# Altium PCB nixi_ clock_cpu.PcbDoc (part 1 of 3)
Units mm, origin at the board's own origin, x right, y up, seen from the top; angles counter-clockwise.
Board outline 147 x 65 mm, 2 copper layers (Top Layer, Bottom Layer), stack 1.569 mm thick; 96 components, 81 nets, 288 pads, 306 vias.
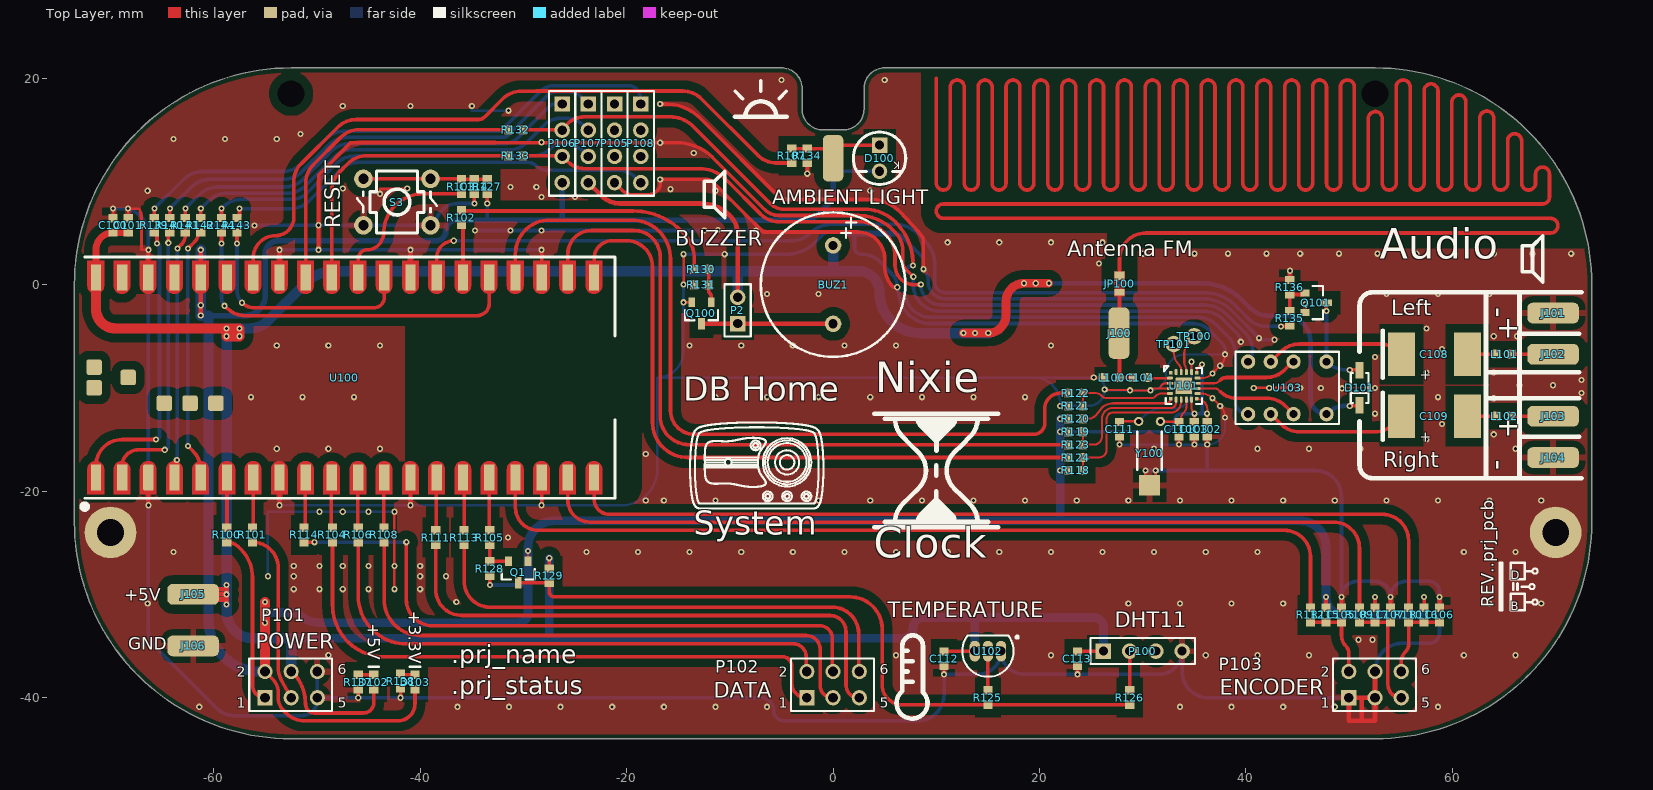
[diagram p0: Top Layer view]
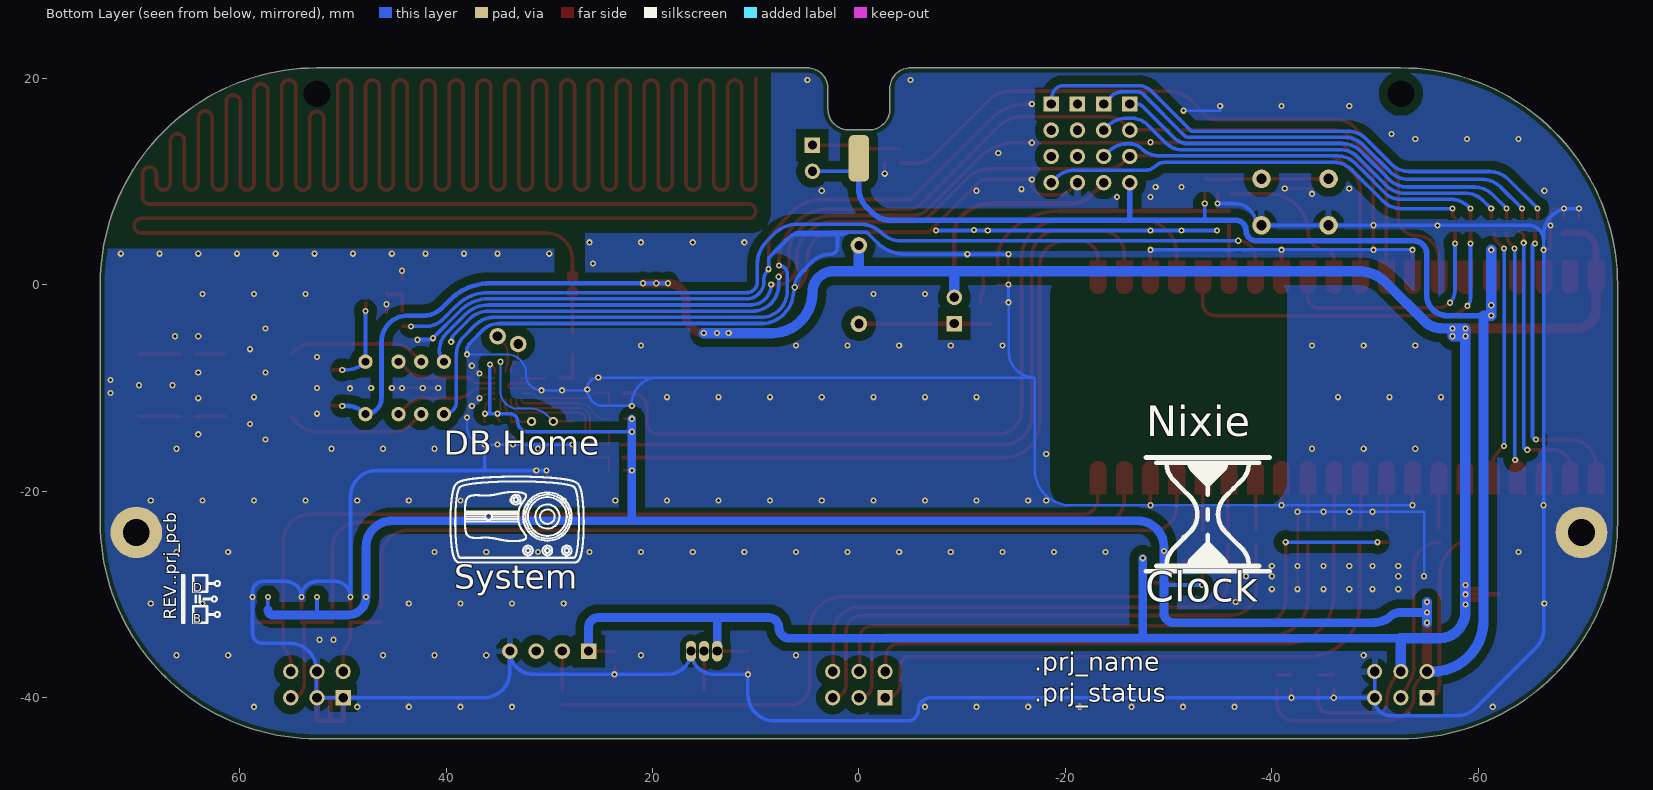
[diagram p1: Bottom Layer view, seen from below]
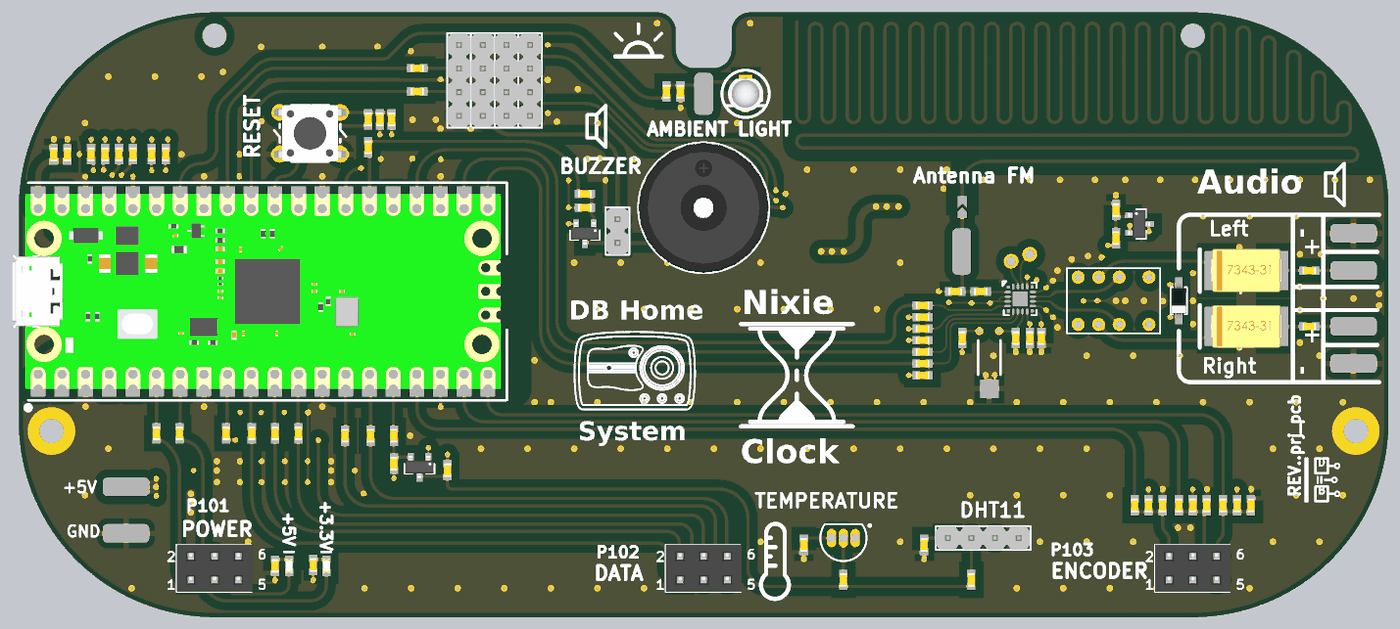
[diagram p4: 3D render of the assembled board from above, using the file's embedded part models]

## Layer stack, top to bottom
Top Solder: solder mask 0.0254, SM-001, Dk 4
Top Layer: signal copper 0.035
Dielectric 1: core 1.4986, Core-043, Dk 4.3
Bottom Layer: signal copper 0.035
Bottom Solder: solder mask 0.0254, SM-001, Dk 4

## Board outline
-73.5,-23 -73.5,0 cw(c-52.5,0) -52.5,21 -5,21 cw(c-5,19) -3,19 -3,17 ccw(c-1,17) -1,15 1,15 ccw(c1,17) 3,17 3,19 cw(c5,19) 5,21 52.5,21 cw(c52.5,0) 73.5,0 73.5,-23 cw(c52.5,-23) 52.5,-44 -52.5,-44 cw(c-52.5,-23)

## Design rules (kind name [scope] priority, off if disabled: settings)
BoardOutlineClearance [All] p1: gap=0.45 ignorepadtopadclearanceinfootprint=FALSE
Clearance Clearance_FM [InNet('FM_ANTENNA') vs not InComponent('JP100')] p1: gap=0.25 ignorepadtopadclearanceinfootprint=FALSE except(1.25: Arc-Fill Arc-Poly Arc-Region Track-Fill Track-Poly Track-Region SMDPad-Fill SMDPad-Poly SMDPad-Region THPad-Fill THPad-Poly THPad-Region Via-Fill Via-Poly Via-Region Fill-Fill Fill-Poly Fill-Region Poly-Poly Poly-Region Region-Region)
Clearance Clearance_0,15 [InComponentClass('0,15')] p2: gap=0.25 ignorepadtopadclearanceinfootprint=FALSE except(0.15: SMDPad-SMDPad THPad-THPad; 0.2: Arc-Arc Arc-Track Arc-SMDPad Track-Track Track-SMDPad)
Clearance Clearance_hw [InNetClass('HV') vs not InComponent('JP100')] p3: gap=1.5 ignorepadtopadclearanceinfootprint=FALSE except(0.25: Arc-Via Arc-Text Arc-Hole Track-Via Track-Text Track-Hole SMDPad-Via SMDPad-Text SMDPad-Hole THPad-Via THPad-Text THPad-Hole Via-Via Via-Text Via-Hole Fill-Text Fill-Hole Poly-Text Poly-Hole Region-Text Region-Hole Text-Text Text-Hole; 0.5: Arc-SMDPad Arc-THPad Track-SMDPad Track-THPad SMDPad-SMDPad SMDPad-THPad THPad-THPad; 1: Arc-Arc Arc-Track Track-Track)
Clearance [All vs not InComponent('JP100')] p4: gap=0.25 ignorepadtopadclearanceinfootprint=FALSE except(0.85: Arc-Fill Arc-Poly Arc-Region Track-Fill Track-Poly Track-Region SMDPad-Fill SMDPad-Poly SMDPad-Region THPad-Fill THPad-Poly THPad-Region Via-Fill Via-Poly Via-Region Fill-Fill Fill-Poly Fill-Region Poly-Poly Poly-Region Region-Region)
ComponentClearance ComponentClearance_p [InComponentClass('conn')] p1: gap=0 collisioncheckmode=3 verticalgap=0.254 showdistances=FALSE
ComponentClearance [All] p2: gap=0.25 collisioncheckmode=3 verticalgap=0.25 showdistances=FALSE
DiffPairsRouting [All] p1: maxlimit=0.25 minlimit=0.25 mostfreqgap=0.25 toplayer_minwidth=0.25 toplayer_maxwidth=0.25 toplayer_prefwidth=0.25 bottomlayer_minwidth=0.25 bottomlayer_maxwidth=0.25 bottomlayer_prefwidth=0.25 maxuncoupledlength=0.25
Height [All] p1: minheight=0 maxheight=25 prefheight=12.5
HoleSize [All] p1: absolutevalues=TRUE maxlimit=10 minlimit=0.2 maxpercent=80.000 minpercent=20.000
HoleToHoleClearance [All] p1: gap=0.25 allowstackedmicrovias=TRUE
MinimumSolderMaskSliver [All] p1: minsoldermaskwidth=0.1
NetAntennae NetAntennae_1 [InNet('FM_ANTENNA')] p1: netantennaetolerance=2000
NetAntennae [All] p2: netantennaetolerance=0
PlaneClearance [All] p1: clearance=0.5
PlaneConnect PlaneConnect_via [isvia] p1: planeconnectstyle=Direct reliefexpansion=0.508 reliefentries=4 reliefconductorwidth=0.254 reliefairgap=0.254
PlaneConnect [All] p2: planeconnectstyle=Relief reliefexpansion=0.6 reliefentries=4 reliefconductorwidth=0.6 reliefairgap=0.3
PolygonConnect PolygonConnect_1 [(ObjectKind = 'Pad') And (Component = 'Free') And (Name = 'Free-hole')] p1: connectstyle=Direct reliefconductorwidth=0.254 reliefentries=4 polygonreliefangle="90 Angle" airgapwidth=0.254
PolygonConnect PolygonConnect_via [isvia] p2: connectstyle=Direct reliefconductorwidth=0.254 reliefentries=4 polygonreliefangle="90 Angle" airgapwidth=0.254
PolygonConnect [All] p3: connectstyle=Relief reliefconductorwidth=0.6 reliefentries=4 polygonreliefangle="90 Angle" airgapwidth=0.6
RoutingCorners [All] p1: cornerstyle=45-Degree minsetback=2.5 maxsetback=2.5
RoutingVias [All] p1: holewidth=0.3 width=0.6 viastyle="Through Hole" minholewidth=0.2 minwidth=0.3 maxholewidth=0.5 maxwidth=1
SilkToSilkClearance [All] p1: silktosilkclearance=0.15
SilkToSolderMaskClearance [IsPad] p1: minsilkscreentomaskgap=0.15 clearancetoexposedcopper=TRUE
SolderMaskExpansion SolderMaskExpansion_via [isVia] p1: expansion=-10 istentingtop=FALSE
SolderMaskExpansion [All] p2: expansion=0.05 istentingtop=FALSE
UnRoutedNet [All] p1: checkbadconnections=TRUE
Width [All] p1: maxlimit=5 minlimit=0.15 preferedwidth=0.25
17 further rules are at their usual default settings.

## Classes and differential pairs
component class conn: P105 P106 P107 P108
component class 0,15: U101
component class Radio: TP? Y?

## Components (designator, comment, footprint, x,y, rotation, side; value= is the part's Value field where it differs from the comment)
BUZ1 "BUZZER" buzzer_14mm_thd 0,0 r270 top
C100 "10uF" 0603_[1608] -69.75,5.74 r90 top
C101 "100nF" 0603_[1608] -68.292,5.74 r90 top
C102 "100nF" 0603_[1608] 36.25,-14 r90 top
C103 "22nF" 0603_[1608] 35,-14 r90 top
C104 "1nF" 0603_[1608] 29.75,-9 r180 top
C105 "100nF" 0603_[1608] 49.25,-32 r270 top
C106 "100nF" 0603_[1608] 58.75,-32 r270 top
C107 "100nF" 0603_[1608] 54,-32 r270 top
C108 "47uF" [7343]_CAP_TAN_1P_2N 58.25,-6.75 r0 top
C109 "47uF" [7343]_CAP_TAN_1P_2N 58.25,-12.75 r0 top
C110 "22pF" 0603_[1608] 33.5,-14 r90 top
C111 "22pF" 0603_[1608] 27.75,-14 r90 top
C112 "100nF" 0603_[1608] 10.75,-36.25 r270 top
C113 "100nF" 0603_[1608] 23.67,-36.25 r270 top
C114 "100nF" 0603_[1608] -34.75,9.5 r90 top
D100 "AMBIENT LIGHT" R5_LED_THD_A2-K1 4.5,12.25 r270 top
D101 "1N4448W" SOD-123_K1-A2 51,-10 r270 top
D102 "+5V" 0603_[1608]_K1-A2_LED -44.5,-38.5 r90 top
D103 "+3.3V" 0603_[1608]_K1-A2_LED -40.5,-38.5 r90 top
J100 "Antenna FM" SMD_PIN_2x5MM 27.7,-4.694 r180 top
J101 "-" SMD_PIN_2x5MM 69.75,-2.75 r270 top
J102 "+" SMD_PIN_2x5MM 69.75,-6.75 r270 top
J103 "+" SMD_PIN_2x5MM 69.75,-12.75 r270 top
J104 "-" SMD_PIN_2x5MM 69.75,-16.75 r270 top
J105 "+5V" SMD_PIN_2x5MM -62,-30 r90 top
J106 "GND" SMD_PIN_2x5MM -62,-35 r90 top
JP100 "PCB FM Antenna" 0603_[1608]_JUMPER 27.75,0.073 r90 top
L100 "270nH" 0603_[1608] 27,-9 r180 top
L101 "Ferrite 2,5kohm" 0603_[1608] 65,-6.75 r0 top
L102 "Ferrite 2,5kohm" 0603_[1608] 65,-12.75 r0 top
P2 "BUZZER" HEADER_1X2_2.54MM_THD -9.25,-2.5 r90 top
P100 "SENSOR" HEADER_1X4_2.54MM_THD 30,-35.5 r0 top
P101 "POWER" SOCKET_2x3_2.54mm_THD -52.5,-38.75 r0 top
P102 "DATA" SOCKET_2x3_2.54mm_THD 0,-38.75 r0 top
P103 "ENCODER" SOCKET_2x3_2.54mm_THD 52.5,-38.75 r0 top
P105 "Audio" HEADER_1X4_2.54MM_THD -21.17,13.69 r270 top
P106 "Audio" HEADER_1X4_2.54MM_THD -26.25,13.69 r270 top
P107 "Audio" HEADER_1X4_2.54MM_THD -23.71,13.69 r270 top
P108 "Audio" HEADER_1X4_2.54MM_THD -18.63,13.69 r270 top
Q1 "BSS138" SOT-23 -30.5,-27.845 r270 top
Q100 "BC817" SOT-23 -12.75,-2.75 r270 top
Q101 "BC817" SOT-23 46.75,-1.75 r0 top
R100 "33R" 0603_[1608] -58.75,-24.25 r270 top
R101 "33R" 0603_[1608] -56.25,-24.25 r270 top
R102 "33R" 0603_[1608] -36,6.5 r270 top
R103 "33R" 0603_[1608] -36,9.5 r270 top
R104 "33R" 0603_[1608] -48.5,-24.25 r270 top
R105 "33R" 0603_[1608] -33.25,-24.5 r270 top
R106 "33R" 0603_[1608] -46,-24.25 r270 top
R107 "1k" 0603_[1608] -4,12.48 r270 top
R108 "33R" 0603_[1608] -43.5,-24.25 r270 top
R109 "33R" 0603_[1608] 51,-32 r270 top
R110 "33R" 0603_[1608] 55.75,-32 r270 top
R111 "33R" 0603_[1608] -38.5,-24.5 r270 top
R112 "33R" 0603_[1608] 46.25,-32 r270 top
R113 "33R" 0603_[1608] -35.75,-24.5 r270 top
R114 "33R" 0603_[1608] -51.25,-24.25 r270 top
R115 "10k" 0603_[1608] 47.75,-32 r270 top
R116 "10k" 0603_[1608] 57.25,-32 r270 top
R117 "10k" 0603_[1608] 52.5,-32 r270 top
R118 "4k7" 0603_[1608] 23.5,-18 r0 top
R119 "4k7" 0603_[1608] 23.5,-14.25 r0 top
R120 "10k" 0603_[1608] 23.5,-13 r0 top
R121 "10k" 0603_[1608] 23.5,-11.75 r0 top
R122 "330R" 0603_[1608] 23.5,-10.5 r180 top
R123 "330R" 0603_[1608] 23.5,-15.5 r180 top
R124 "330R" 0603_[1608] 23.5,-16.75 r180 top
R125 "33R" 0603_[1608] 15,-40 r270 top
R126 "33R" 0603_[1608] 28.73,-40 r270 top
R127 "10k" 0603_[1608] -33.5,9.5 r90 top
R128 "10k" 0603_[1608] -33.25,-27.5 r90 top
R129 "4k7" 0603_[1608] -27.5,-28.2 r270 top
R130 "1k" 0603_[1608] -12.75,1.5 r0 top
R131 "47k" 0603_[1608] -12.75,0 r0 top
R132 "33R" 0603_[1608] -30.75,15 r180 top
R133 "33R" 0603_[1608] -30.75,12.5 r180 top
R134 "10k" 0603_[1608] -2.5,12.48 r270 top
R135 "1k" 0603_[1608] 44.25,-3.25 r90 top
R136 "47k" 0603_[1608] 44.25,-0.25 r270 top
R137 "1k" 0603_[1608] -46,-38.5 r90 top
R138 "1k" 0603_[1608] -41.901,-38.401 r90 top
R139 "33R" 0603_[1608] -65.75,5.75 r90 top
R140 "33R" 0603_[1608] -64.25,5.75 r90 top
R141 "33R" 0603_[1608] -62.75,5.75 r90 top
R142 "33R" 0603_[1608] -61.25,5.75 r90 top
R143 "33R" 0603_[1608] -57.75,5.75 r270 top
R144 "33R" 0603_[1608] -59.25,5.75 r270 top
S3 "RESET" TACTILE_SWITCH_6x6MM_THD -42.25,8 r270 top
TP100 "GPIO2" TEST_POINT_THD_D1.6MM 35,-5 r90 top
TP101 "GPIO1" TEST_POINT_THD_D1.6MM 33,-5.75 r90 top
U100 "Raspberry Pico Wifi" RasberryPicoMod -47,-9 r90 top
U101 "Si470x" QFN-50P-20_PAD 33.975,-9.804 r0 top
U102 "DS18B20" TO-92 15,-35.5 r90 top
U103 "Relay DPDT" RELAYS_DPST_THD_6x10_5.08mm 44,-10 r180 top
Y100 "32.768kHz" CRISTAL_R26_PAD 30.656,-13.25 r270 top

## Footprints (in the part's own frame and the unit in brackets; to place one, negate y for a bottom-side part, rotate by r counter-clockwise, add the part's x,y. Pads: shape width x height; smd on the part's side, far side on the other; paste and mask are expansions set on the pad)
0603_[1608] [mm] "Chip Capacitor, Body 1.6x0.8mm, IPC High Density"
  rect 0.8x0.9 smd: 1(-0.7,0) 2(0.7,0)
  body extent -0.75,-0.4 0.75,0.4, height 0.67
0603_[1608]_JUMPER [mm]
  rect 0.6x1 smd paste+0 mask+0: 1(-0.8,0)
  rect 0.8x1 smd paste+0 mask+0: 2(0.8,0)
  Top Layer region: -1.2,0.5 -0.5,0.5 0,0 -0.5,-0.5 -1.2,-0.5
  Top Layer region: 1.2,-0.5 1.2,0.5 -0.1,0.5 0.4,0 0.4,0 -0.1,-0.5
0603_[1608]_K1-A2_LED [mm] "SMD led 0603 size"
  rect 0.8x0.9 smd: 1(0.7,0) 2(-0.7,0)
  silkscreen extent 1.5,-0.5 1.5,0.5, body extent -0.8,-0.4 0.8,0.4, height 0.7
[7343]_CAP_TAN_1P_2N [mm] "Capacitor, SM Tantalum; Body 7.3 x 4.3 mm (LxW typ)"
  rect 2.6x4.2 smd: 1(-3.2,0) 2(3.2,0)
  silkscreen extent -5,-2.3 -5,2.3, body extent -3.8,-2.3 3.8,2.3, height 3.1
buzzer_14mm_thd [mm]
  round 1.6 hole 0.9: 1(-3.8,0) 2(3.8,0)
  silkscreen extent -7,-7 7,7, body extent -7,-7 7,7, height 7.4
CRISTAL_R26_PAD [mm] "Crystal, Thru-Hole; 2 Leads; Body 2.1 x 6.2 mm (Dia.xH)"
  round 0.9 hole 0.5: 1(0,1.05) 2(0,-1.05)
  rect 2x2 smd: 3(6.2,0)
  silkscreen extent 1,-1.2 4.7,1.2, body extent 0.55,-0.8 6.55,0.8, height 1.59
HEADER_1X2_2.54MM_THD [mm] "Connector; Header; 2 Position"
  rect 1.5x1.5 hole 0.9: 1(-1.27,0)
  round 1.5 hole 0.9: 2(1.27,0)
  silkscreen extent -2.54,-1.27 2.54,1.27, body extent -2.54,-1.25 2.44,1.25, height 8.2
HEADER_1X4_2.54MM_THD [mm] "Connector; Header; 4 Position"
  rect 1.5x1.5 hole 0.9: 1(-3.81,0)
  round 1.5 hole 0.9: 2(-1.27,0) 3(1.27,0) 4(3.81,0)
  silkscreen extent -5.08,-1.27 5.08,1.27, body extent -5.08,-1.25 4.98,1.25, height 8.2
QFN-50P-20_PAD [mm]
  rect 0.34x0.34 smd: 1(-1.275,1.265) 6(-1.265,-1.265) 11(1.265,-1.265) 16(1.265,1.265)
  rrect95% 0.61x0.28 smd: 2(-1.335,0.75) 3(-1.335,0.25) 4(-1.335,-0.25) 5(-1.335,-0.75) 12(1.335,-0.75) 13(1.335,-0.25) 14(1.335,0.25) 15(1.335,0.75)
  rrect95% 0.28x0.61 smd: 7(-0.75,-1.335) 8(-0.25,-1.335) 9(0.25,-1.335) 10(0.75,-1.335) 17(0.75,1.335) 18(0.25,1.335) 19(-0.25,1.335) 20(-0.75,1.335)
  rrect10% 1.6x1.6 smd paste+0 mask+0: 21(0,0)
  silkscreen extent -1.9,-1.75 1.75,1.9, body extent -1.6,-1.6 1.6,1.6, height 0.55
R5_LED_THD_A2-K1 [mm] "standard led thd 5/3mm"
  round 1.5 hole 0.9: 1(1.27,0)
  rect 1.5x1.5 hole 0.9: 2(-1.27,0)
  silkscreen extent -2.54,-2.54 2.54,2.54, body extent -1.6,-1.9 1.9,1.9, height 6.55
RasberryPicoMod [mm]
  rect 2.5x1 smd mask+0.102: 1(-9.69,24.415) 2(-9.69,21.875) 4(-9.69,16.795) 5(-9.69,14.255) 6(-9.69,11.715) 7(-9.69,9.175) 8(-9.69,6.635) 9(-9.69,4.095) 10(-9.69,1.555) 11(-9.69,-0.985) 12(-9.69,-3.525) 13(-9.69,-6.065) 14(-9.69,-8.605) 15(-9.69,-11.145) 16(-9.69,-13.685) 17(-9.69,-16.225) 18(-9.69,-18.765) 19(-9.69,-21.305) 20(-9.69,-23.845)
  rrect25% 2.5x1 smd mask+0.102: 3(-9.69,19.335)
  rect 2.5x1 smd: 21(9.69,-23.845) 22(9.69,-21.305) 23(9.69,-18.765) 24(9.69,-16.225) 25(9.69,-13.685) 26(9.69,-11.145) 27(9.69,-8.605) 28(9.69,-6.065) 29(9.69,-3.525) 30(9.69,-0.985) 31(9.69,1.555) 32(9.69,4.095) 33(9.69,6.635) 34(9.69,9.175) 35(9.69,11.715) 36(9.69,14.255) 37(9.69,16.795) 38(9.69,19.335) 39(9.69,21.875) 40(9.69,24.415)
  rrect30% 1.5x1.5 smd: 44(0.01,21.292) 45(1.01,24.592) 46(-0.99,24.592) 47(-2.49,17.792) 48(-2.49,15.292) 49(-2.49,12.792)
  Top Layer region: -11.292,-24.629 -11.292,-23.029 -8.892,-23.029 -8.892,-23.029 -8.545,-23.108 -8.267,-23.33 -8.112,-23.651 -8.112,-24.007 -8.267,-24.328 -8.545,-24.55 -8.892,-24.629 -8.892,-24.629
  Top Layer region: -11.292,-22.089 -11.292,-20.489 -8.892,-20.489 -8.892,-20.489 -8.545,-20.568 -8.267,-20.79 -8.112,-21.111 -8.112,-21.467 -8.267,-21.788 -8.545,-22.01 -8.892,-22.089 -8.892,-22.089
  Top Layer region: -11.292,-19.549 -11.292,-17.949 -8.892,-17.949 -8.892,-17.949 -8.545,-18.028 -8.267,-18.25 -8.112,-18.571 -8.112,-18.927 -8.267,-19.248 -8.545,-19.47 -8.892,-19.549 -8.892,-19.549
  Top Layer region: -11.292,-17.009 -11.292,-15.409 -8.892,-15.409 -8.892,-15.409 -8.545,-15.488 -8.267,-15.71 -8.112,-16.031 -8.112,-16.387 -8.267,-16.708 -8.545,-16.93 -8.892,-17.009 -8.892,-17.009
  Top Layer region: -11.292,-14.469 -11.292,-12.869 -8.892,-12.869 -8.892,-12.869 -8.545,-12.948 -8.267,-13.17 -8.112,-13.491 -8.112,-13.847 -8.267,-14.168 -8.545,-14.39 -8.892,-14.469 -8.892,-14.469
  Top Layer region: -11.292,-11.929 -11.292,-10.329 -8.892,-10.329 -8.892,-10.329 -8.545,-10.408 -8.267,-10.63 -8.112,-10.951 -8.112,-11.307 -8.267,-11.628 -8.545,-11.85 -8.892,-11.929 -8.892,-11.929
  Top Layer region: -11.292,-9.389 -11.292,-7.789 -8.892,-7.789 -8.892,-7.789 -8.545,-7.868 -8.267,-8.09 -8.112,-8.411 -8.112,-8.767 -8.267,-9.088 -8.545,-9.31 -8.892,-9.389 -8.892,-9.389
  Top Layer region: -11.292,-6.849 -11.292,-5.249 -8.892,-5.249 -8.892,-5.249 -8.545,-5.328 -8.267,-5.55 -8.112,-5.871 -8.112,-6.227 -8.267,-6.548 -8.545,-6.77 -8.892,-6.849 -8.892,-6.849
  Top Layer region: -11.292,-4.309 -11.292,-2.709 -8.892,-2.709 -8.892,-2.709 -8.545,-2.788 -8.267,-3.01 -8.112,-3.331 -8.112,-3.687 -8.267,-4.008 -8.545,-4.23 -8.892,-4.309 -8.892,-4.309
  Top Layer region: -11.292,-1.769 -11.292,-0.169 -8.892,-0.169 -8.892,-0.169 -8.545,-0.248 -8.267,-0.47 -8.112,-0.791 -8.112,-1.147 -8.267,-1.468 -8.545,-1.69 -8.892,-1.769 -8.892,-1.769
  Top Layer region: -11.292,0.771 -11.292,2.371 -8.892,2.371 -8.892,2.371 -8.545,2.292 -8.267,2.07 -8.112,1.749 -8.112,1.393 -8.267,1.072 -8.545,0.85 -8.892,0.771 -8.892,0.771
  Top Layer region: -11.292,3.311 -11.292,4.911 -8.892,4.911 -8.892,4.911 -8.545,4.832 -8.267,4.61 -8.112,4.289 -8.112,3.933 -8.267,3.612 -8.545,3.39 -8.892,3.311 -8.892,3.311
  Top Layer region: -11.292,5.851 -11.292,7.451 -8.892,7.451 -8.892,7.451 -8.545,7.372 -8.267,7.15 -8.112,6.829 -8.112,6.473 -8.267,6.152 -8.545,5.93 -8.892,5.851 -8.892,5.851
  Top Layer region: -11.292,8.391 -11.292,9.991 -8.892,9.991 -8.892,9.991 -8.545,9.912 -8.267,9.69 -8.112,9.369 -8.112,9.013 -8.267,8.692 -8.545,8.47 -8.892,8.391 -8.892,8.391
  Top Layer region: -11.292,10.931 -11.292,12.531 -8.892,12.531 -8.892,12.531 -8.545,12.452 -8.267,12.23 -8.112,11.909 -8.112,11.553 -8.267,11.232 -8.545,11.01 -8.892,10.931 -8.892,10.931
  Top Layer region: -11.292,13.471 -11.292,15.071 -8.892,15.071 -8.892,15.071 -8.545,14.992 -8.267,14.77 -8.112,14.449 -8.112,14.093 -8.267,13.772 -8.545,13.55 -8.892,13.471 -8.892,13.471
  Top Layer region: -11.292,16.011 -11.292,17.611 -8.892,17.611 -8.892,17.611 -8.545,17.532 -8.267,17.31 -8.112,16.989 -8.112,16.633 -8.267,16.312 -8.545,16.09 -8.892,16.011 -8.892,16.011
  Top Layer region: -11.292,18.551 -11.292,20.151 -8.892,20.151 -8.892,20.151 -8.545,20.072 -8.267,19.85 -8.112,19.529 -8.112,19.173 -8.267,18.852 -8.545,18.63 -8.892,18.551 -8.892,18.551
  Top Layer region: -11.292,21.091 -11.292,22.691 -8.892,22.691 -8.892,22.691 -8.545,22.612 -8.267,22.39 -8.112,22.069 -8.112,21.713 -8.267,21.392 -8.545,21.17 -8.892,21.091 -8.892,21.091
  Top Layer region: -11.292,23.631 -11.292,25.231 -8.892,25.231 -8.892,25.231 -8.545,25.152 -8.267,24.93 -8.112,24.609 -8.112,24.253 -8.267,23.932 -8.545,23.71 -8.892,23.631 -8.892,23.631
  Top Layer region: 11.292,23.631 11.292,25.231 8.892,25.231 8.892,25.231 8.545,25.152 8.267,24.93 8.112,24.609 8.112,24.253 8.267,23.932 8.545,23.71 8.892,23.631 8.892,23.631
  Top Layer region: 11.292,21.091 11.292,22.691 8.892,22.691 8.892,22.691 8.545,22.612 8.267,22.39 8.112,22.069 8.112,21.713 8.267,21.392 8.545,21.17 8.892,21.091 8.892,21.091
  Top Layer region: 11.292,18.551 11.292,20.151 8.892,20.151 8.892,20.151 8.545,20.072 8.267,19.85 8.112,19.529 8.112,19.173 8.267,18.852 8.545,18.63 8.892,18.551 8.892,18.551
  Top Layer region: 11.292,16.011 11.292,17.611 8.892,17.611 8.892,17.611 8.545,17.532 8.267,17.31 8.112,16.989 8.112,16.633 8.267,16.312 8.545,16.09 8.892,16.011 8.892,16.011
  Top Layer region: 11.292,13.471 11.292,15.071 8.892,15.071 8.892,15.071 8.545,14.992 8.267,14.77 8.112,14.449 8.112,14.093 8.267,13.772 8.545,13.55 8.892,13.471 8.892,13.471
  Top Layer region: 11.292,10.931 11.292,12.531 8.892,12.531 8.892,12.531 8.545,12.452 8.267,12.23 8.112,11.909 8.112,11.553 8.267,11.232 8.545,11.01 8.892,10.931 8.892,10.931
  Top Layer region: 11.292,8.391 11.292,9.991 8.892,9.991 8.892,9.991 8.545,9.912 8.267,9.69 8.112,9.369 8.112,9.013 8.267,8.692 8.545,8.47 8.892,8.391 8.892,8.391
  Top Layer region: 11.292,5.851 11.292,7.451 8.892,7.451 8.892,7.451 8.545,7.372 8.267,7.15 8.112,6.829 8.112,6.473 8.267,6.152 8.545,5.93 8.892,5.851 8.892,5.851
  Top Layer region: 11.292,3.311 11.292,4.911 8.892,4.911 8.892,4.911 8.545,4.832 8.267,4.61 8.112,4.289 8.112,3.933 8.267,3.612 8.545,3.39 8.892,3.311 8.892,3.311
  Top Layer region: 11.292,0.771 11.292,2.371 8.892,2.371 8.892,2.371 8.545,2.292 8.267,2.07 8.112,1.749 8.112,1.393 8.267,1.072 8.545,0.85 8.892,0.771 8.892,0.771
  Top Layer region: 11.292,-1.769 11.292,-0.169 8.892,-0.169 8.892,-0.169 8.545,-0.248 8.267,-0.47 8.112,-0.791 8.112,-1.147 8.267,-1.468 8.545,-1.69 8.892,-1.769 8.892,-1.769
  Top Layer region: 11.292,-4.309 11.292,-2.709 8.892,-2.709 8.892,-2.709 8.545,-2.788 8.267,-3.01 8.112,-3.331 8.112,-3.687 8.267,-4.008 8.545,-4.23 8.892,-4.309 8.892,-4.309
  Top Layer region: 11.292,-6.849 11.292,-5.249 8.892,-5.249 8.892,-5.249 8.545,-5.328 8.267,-5.55 8.112,-5.871 8.112,-6.227 8.267,-6.548 8.545,-6.77 8.892,-6.849 8.892,-6.849
  Top Layer region: 11.292,-9.389 11.292,-7.789 8.892,-7.789 8.892,-7.789 8.545,-7.868 8.267,-8.09 8.112,-8.411 8.112,-8.767 8.267,-9.088 8.545,-9.31 8.892,-9.389 8.892,-9.389
  Top Layer region: 11.292,-11.929 11.292,-10.329 8.892,-10.329 8.892,-10.329 8.545,-10.408 8.267,-10.63 8.112,-10.951 8.112,-11.307 8.267,-11.628 8.545,-11.85 8.892,-11.929 8.892,-11.929
  Top Layer region: 11.292,-14.469 11.292,-12.869 8.892,-12.869 8.892,-12.869 8.545,-12.948 8.267,-13.17 8.112,-13.491 8.112,-13.847 8.267,-14.168 8.545,-14.39 8.892,-14.469 8.892,-14.469
  Top Layer region: 11.292,-17.009 11.292,-15.409 8.892,-15.409 8.892,-15.409 8.545,-15.488 8.267,-15.71 8.112,-16.031 8.112,-16.387 8.267,-16.708 8.545,-16.93 8.892,-17.009 8.892,-17.009
  Top Layer region: 11.292,-19.549 11.292,-17.949 8.892,-17.949 8.892,-17.949 8.545,-18.028 8.267,-18.25 8.112,-18.571 8.112,-18.927 8.267,-19.248 8.545,-19.47 8.892,-19.549 8.892,-19.549
  Top Layer region: 11.292,-22.089 11.292,-20.489 8.892,-20.489 8.892,-20.489 8.545,-20.568 8.267,-20.79 8.112,-21.111 8.112,-21.467 8.267,-21.788 8.545,-22.01 8.892,-22.089 8.892,-22.089
  Top Layer region: 11.292,-24.629 11.292,-23.029 8.892,-23.029 8.892,-23.029 8.545,-23.108 8.267,-23.33 8.112,-23.651 8.112,-24.007 8.267,-24.328 8.545,-24.55 8.892,-24.629 8.892,-24.629
  silkscreen extent -12.75,-25.88 11.68,25.75, body extent -10.49,-25.21 10.51,27.22, height 3.69
RELAYS_DPST_THD_6x10_5.08mm [mm] "Relays DPST thd 6x10x10mm pin space 5.08mm"
  round 1.4 hole 0.75 paste+0: 1(-3.8,-2.54) 2(-0.6,-2.54) 3(1.6,-2.54) 4(3.8,-2.54) 5(3.8,2.54) 6(1.6,2.54) 7(-0.6,2.54) 8(-3.8,2.54)
  silkscreen extent -5,-3.5 5,3.5, body extent -5,-3 5,3, height 6
SMD_PIN_2x5MM [mm]
  rrect50% 2x5 smd: 1(0,0)
SOCKET_2x3_2.54mm_THD [mil] "PIN-HEADER-2x3-2.54mm"
  rect 58x58 hole 37: 1(-100,-50)
  round 58 hole 37: 2(-100,50) 3(0,-50) 4(0,50) 5(100,-50) 6(100,50)
  silkscreen extent -160,-100 156,100, body extent -160,-100 160,100, height 329
SOD-123_K1-A2 [mm] "SOD-123; 2 Leads; Body 2.7 x 1.6 mm, (LxW)"
  rect 1.6x0.8 smd: 1(1.7,0) 2(-1.7,0)
  silkscreen extent -1.45,-0.85 1.45,0.85, body extent -1.85,-0.8 1.85,0.8, height 1.27
SOT-23 [mm] "SOT23, 3-Leads, Body 2.9x1.3mm, Pitch 0.95mm, Lead Span 2.5mm, IPC High Density"
  rect 0.9x0.65 smd: 1(-1.038,0.95) 2(-1.038,-0.95)
  rect 1.1x0.65 smd: 3(1.038,0)
  silkscreen extent -0.3,-1.6 0.7,1.6, body extent -1.2,-1.52 1.2,1.52, height 1.22
TACTILE_SWITCH_6x6MM_THD [mm] "Tactile switch thd 4pin vertical"
  round 1.8 hole 1: 1(2.25,3.25) 2(2.25,-3.25) 3(-2.25,3.25) 4(-2.25,-3.25)
  silkscreen extent -3,-3.86 3,3.86, body extent -3.02,-3.87 3.01,3.87, height 6.81
TEST_POINT_THD_D1.6MM [mm] "Test point D=1.6MM"
  round 1.6 hole 0.95 paste-10 mask+0.05: 1(0,0)
TO-92 [mm] "TO, Flat Index; 3 In-Line, Axial Leads; Body Dia. 4.5mm; Leads 0.51 x 0.48 mm (max)"
  oval 2x1 hole 0.9: 1(0,-1.27) 2(0,0) 3(0,1.27)
  silkscreen extent -2.48,-2.96 1.5,2.48, body extent -2.48,-2.5 1.5,2.5, height 6.86

## Part data
C100 C101 C102 C103 C104 C105 C106 C107 C110 C111 C112 C113 C114: library part Cap, "Capacitor", ComponentLink1Description="New link"
C108 C109: library part CapPol, "Capacitor", ComponentLink1Description="New link"
D100: library part PhotoDiode, "Diode Led", MountTechnology=SMT, Publisher="Develer srl", Revision=0.1
D101: library part Diode, "Diode, Rectifier, 0,5A, 30V min (MBR230LSFT1G; Rohm RB070MM-30TR; panjin SBA130ASR100001)", CODE Develer=D-S-0001, MountTechnology=SMT
D102 D103: library part DiodeLedSmall_GREEN, "Diode Led", MountTechnology=SMT, Publisher="Develer srl", Revision=0.1
J100 J101 J102 J103 J104 J105 J106: library part SolderPad, "Solder pad", MountTechnology=SMT, Publisher="Develer srl", Revision=0.1
JP100: library part JumperSMD, "Jumper SMD", MountTechnology=SMT, Publisher="Develer srl", Revision=0.1
L100: library part Inductor, "ComponetDescritions (altrenative1; alternativ2)", MountTechnology=SMT, Publisher="Develer srl", Revision=0.1
L101 L102: library part Inductor, "BLM18BD252SN1D", MountTechnology=SMT, Publisher="Develer srl", Revision=0.1
P2: library part "Header 2", "Pin Header, 2pin, 2.54mm", LatestRevisionDate=17-Jul-2002, LatestRevisionNote="Re-released for DXP Platform.", Publisher="Altium Limited"
P100 P105 P106 P107 P108: library part "Header 4", "Header, 4-Pin", LatestRevisionDate=17-Jul-2002, LatestRevisionNote="Re-released for DXP Platform.", Publisher="Altium Limited"
P101 P102 P103: library part "Header 3X2", "Header, 3-Pin, Dual row", LatestRevisionDate=17-Jul-2002, LatestRevisionNote="Re-released for DXP Platform.", Publisher="Altium Limited"
Q1: "N-MOSFET 50V 0,22A", MountTechnology=SMT, Publisher="Develer srl", Revision=0.1
Q100 Q101: library part NPN_3P, "Transistor BJT NPN", MountTechnology=SMT, Publisher="Develer srl", Revision=0.1
R100 R101 R102 R103 R104 R105 R106 R107 R108 R109 R110 R111 R112 R113 R114 R115 R116 R117 R118 R119 R120 R121 R122 R123 R124 R125 R126 R127 R128 R129 R130 R131 R132 R133 R134 R135 R136 R137 R138 R139 R140 R141 R142 R143 R144: library part Res, "Resistor", MountTechnology=SMT, Publisher="Develer srl", Revision=0.1
S3: library part "Switch DPST", "Double-Pole, Single-Throw Switch", LatestRevisionDate=17-Jul-2002, LatestRevisionNote="Re-released for DXP Platform.", PackageDescription="Switch; 4 Leads", PackageReference=DPST-4, Published=24-Mar-1999, Publisher="Altium Limited"
TP100 TP101: library part TestPoint, "TestPoint", MountTechnology=SMT, Publisher="Develer srl", Revision=0.1
U100: library part RaspberryPico_Mod, "Raspberry PICO som module", MountTechnology=SMT, Publisher="Develer srl", Revision=0.1
U101: "Full FM radio whit RDS", MountTechnology=SMT, Publisher="Develer srl", Revision=0.1
U102: "Programmable Resolution 1-Wire Digital Thermometer", MountTechnology=SMT, Publisher="Develer srl", Revision=0.1
U103: library part Relay2_DPDT, MountTechnology=SMT, Publisher="Develer srl", Revision=0.1
Y100: library part Cristal_3P, "ComponentDescriptions (altrenative1; alternative2)", MountTechnology=SMT, Publisher="Develer srl", Revision=0.1

## Free pads (board coordinates)
  rrect50% 2x4.5 smd far side: amb(0,12.23) amb(0,12.25)
  rrect50% 2x4.5 smd: amb(0,12.25)
  round 5 hole 2.6: hole(-70,-24) hole(70,-24)
  round 0 hole 2.6: hole(-52.5,18.5) hole(52.5,18.5)

## Via types
v1: diameter 0.6, hole 0.3, Top Layer to Bottom Layer, 306 vias

## Nets (pads, with @x,y where several pads share a name; then routed paths per layer and width w, separated by ;. In a path a pad name is that pad's centre, name@x,y a point inside that pad or via, vN(x,y) a via of type N, cw(c..) or ccw(c..) an arc to the next point about the centre after c; other vN are vias at no path point)
1WIRE_SENSOR: Q1.2 R105.2 R128.2 | length 3.4
  Top Layer w0.35: R105.2@-33.25,-25.2 R128.2@-33.25,-26.8 -31.45,-26.8 Q1.2@-31.45,-26.808
+3.3V: C102.2 C103.2 D100.1 D103.2 P101.2 P106.4 pad.amb@0,12.23 pad.amb@0,12.25 Q1.1 R115.1 R116.1 R117.1 R118.1 R119.1 R120.1 R127.1 R128.1 U100.36 U101.10 U101.11 U101.16 | length 344.3
  Top Layer w0.2: Q1.1@-29.55,-26.808 v1(-29.55,-25.8) ; C103.2@34.725,-13.275 35,-13 v1(35,-12.5) cw(c35.664,-11.836) 34.906,-12.39 cw(c35.664,-11.836) 34.725,-11.836 U101.10@34.725,-11.139 ; U101.11@35.24,-11.069 cw(c35.24,-12.079) 36.25,-12.079 C102.2@36.25,-13.3 ; U101.16@35.24,-8.539 35.229,-8.462 35.227,-8.448 35.227,-8.434 35.227,-8.432 cw(c35.953,-8.447) 35.749,-7.75 v1(35.75,-7.75)
  Top Layer w0.25: v1(22,-18) R118.1@22.706,-18 ; v1(22,-14.25) R119.1@22.706,-14.25 ; v1(22,-13) R120.1@22.706,-13
  Top Layer w0.35: P101.2@-55,-37.5 -54.28,-38.22 cw(c-55.561,-39.5) -53.75,-39.5 -53.75,-40.043 ccw(c-52.043,-40.043) -53.25,-41.25 -52.994,-41.506 ccw(c-51.198,-39.71) -51.198,-42.25 ; -50.604,-42.25 -51.198,-42.25 ; D103.2@-40.5,-39.2 -40.5,-40.588 cw(c-42.162,-40.588) -42.162,-42.25 -51.198,-42.25 ; v1(-33.5,7.865) R127.1@-33.5,8.8 ; v1(-33.25,-29.095) R128.1@-33.25,-28.2 ; R115.1@47.75,-31.3 v1(47.75,-30.25) ; R117.1@52.5,-31.3 v1(52.5,-30.25) ; R116.1@57.25,-31.3 v1(57.25,-30.25)
  Top Layer w0.45: v1(-61.255,-3) v1(-61.255,-1.995) U100.36@-61.255,0.69 v1(-61.255,3.375)
  Top Layer w1: v1(-55.04,-30.75) v1(-55.04,-31.75) v1(-55.04,-32.75) -55.04,-37.278 ccw(c-54.755,-37.278) P101.2@-54.957,-37.48
  Bottom Layer w0.2: -29.591,-29.095 ccw(c-29.591,-29.055) -29.55,-29.055
  Bottom Layer w0.35: -33.66,6.25 ccw(c-33.66,6.41) -33.5,6.41 v1(-33.5,7.865) ; v1(-33.25,-29.095) -29.591,-29.095 ; pad.amb@0,11.78 0.8,10.98 D100.1@4.5,10.98 ; pad.amb@0,12.23 pad.amb@0,12.25 ; v1(22,-14.25) 32.064,-14.25 ccw(c32.064,-13.25) 33.064,-13.25 cw(c33.814,-13.25) 33.814,-12.5 v1(35,-12.5) 35.613,-12.5 ; v1(35.75,-7.75) 35.75,-12.363 cw(c35.613,-12.363) 35.613,-12.5 ; v1(36.225,-12.5) 35.613,-12.5 ; 52.5,-32 v1(52.5,-30.25) ; 57.25,-31.5 v1(57.25,-30.25)
  Bottom Layer w0.55: -60.5,-3 -56.998,-3 ccw(c-57,-1) -55,-1 -55,3 ; -55,3.25 -55,3 ; -53.75,4.25 ccw(c-53.75,3) -54.414,4.059 ; v1(-29.55,-25.8) -29.55,-25.411 ; P106.4@-26.25,9.88 -26.25,6.25 ; pad.amb@-0.675,11.69 cw(c-0.126,11.655) -0.587,11.955 -0.5,11.955 pad.amb@-0.293,12.179 ; pad.amb@-0.25,11.78 -0.25,12 cw(c0,12) pad.amb@0,12.25 ; pad.amb@0,12.23 0,11.78 0,9.302 cw(c-2.54,9.302) -0.744,7.506 -1.256,6.994 cw(c-3.052,8.79) -3.052,6.25 -26.25,6.25 ; -55,3 cw(c-53.75,3) -54.414,4.059 ; -54.414,4.059 cw(c-53.448,1.71) -53.448,4.25 -38.5,4.25 ccw(c-38.5,5.25) -37.5,5.25 cw(c-36.5,5.25) -36.5,6.25 -33.66,6.25 -26.25,6.25
  Bottom Layer w0.85: v1(-55.04,-31.75) -52.524,-31.75 cw(c-52.524,-33.374) -51.376,-32.226 ccw(c-50.34,-31.066) -50.942,-32.499 ccw(c-49.698,-29.537) -49.698,-32.75 -30.5,-32.75 ccw(c-30.5,-31.8) -29.55,-31.8 -29.55,-29.055 v1(-29.55,-25.8) ; -29.55,-25.411 cw(c-27.01,-25.411) -27.01,-22.871 22,-22.871 ; v1(22,-13) v1(22,-14.25) v1(22,-18) 22,-22.871 ; 57.25,-31.5 cw(c56.75,-31.5) 56.75,-32 52.5,-32 49.5,-32 cw(c49.5,-30.25) v1(47.75,-30.25) 47.75,-25.411 ccw(c45.21,-25.411) 45.21,-22.871 22,-22.871
  Bottom Layer w1: v1(-61.255,3.375) v1(-61.255,-1.995) v1(-61.255,-3) -60.5,-3 -60.5,-32.567 ccw(c-55.591,-32.567) P101.2@-55.044,-37.445 ; v1(-55.04,-32.75) v1(-55.04,-31.75) v1(-55.04,-30.75)
+5V: BUZ1.1 C100.1 C101.1 C112.1 C113.1 D101.1 D102.2 J105.1 P2.2 P100.1 P101.4 P107.4 R129.1 U100.40 U102.3 U103.8 | length 349.1
  Top Layer w0.35: P101.4@-52.417,-37.48 cw(c-55.576,-40.64) -51.108,-40.643 ccw(c-50.249,-40.641) -50.249,-41.5 -45.5,-41.5 ccw(c-45.5,-40.5) -44.5,-40.5 D102.2@-44.5,-39.2 ; R129.1@-27.5,-27.5 v1(-27.5,-26.5) ; C112.1@10.75,-35.55 cw(c10.8,-35.55) 10.8,-35.5 U102.3@13.73,-35.5 ; C113.1@23.67,-35.55 cw(c23.72,-35.55) 23.72,-35.5 P100.1@26.19,-35.5 ; v1(50.05,-11.744) 50.894,-11.744 ccw(c50.894,-11.594) D101.1@51,-11.7
  Top Layer w0.45: J105.1@-62,-30 v1(-58.75,-30) ; J105.1@-60.25,-30.5 -58.75,-30.5 ; J105.1@-60.25,-29.5 -58.75,-29.5 ; v1(-58.75,-31) -58.75,-30.5 ; v1(-58.75,-29.095) -58.75,-29.5 ; P107.4@-23.71,9.88 -22.439,8.609 ccw(c-20.643,10.405) -20.643,7.865 -12.815,7.865 cw(c-12.813,3.887) -10.001,6.701 cw(c-11.811,4.889) -9.25,4.887 -9.25,4.885 P2.2@-9.25,-1.23 ; -58.75,-30.5 -58.75,-29.5
  Top Layer w0.65: U100.40@-71.415,0.69 -71.415,3.375 cw(c-69.75,3.375) C100.1@-69.75,5.04 C101.1@-68.292,5.04 ; C101.1@-68.271,4.979 C101.1@-68.25,5
  Top Layer w0.85: v1(12.615,-4.694) v1(13.752,-4.694) 15.006,-4.694 ccw(c15.006,-2.95) 16.75,-2.95 16.75,-1.619 cw(c18.5,-1.619) v1(18.5,0.131) v1(19.637,0.131) v1@20.891,0.131
  Top Layer w1: U100.40@-71.415,0.69 -71.415,-2.335 ccw(c-69.5,-2.335) -69.5,-4.25 v1(-58.75,-4.25) ; v1(-58.75,-4.25) v1(-57.5,-4.25) v1(-57.5,-5) v1(-58.75,-5) v1(-58.75,-4.25)
  Bottom Layer w0.45: v1(18.5,0.131) v1(20.916,0.131) 30.25,0.131 35.734,0.131 cw(c35.736,-5.335) 39.6,-1.469 39.602,-1.471 39.846,-1.715 40.387,-2.256 ccw(c42.183,-0.46) 42.183,-3 43.131,-3 43.71,-3 cw(c43.71,-5.54) 46.25,-5.54 46.25,-10.99 ccw(c47.8,-10.99) U103.8@47.8,-12.54 47.852,-12.488 cw(c49.648,-14.284) 49.648,-11.744 v1(50.05,-11.744)
  Bottom Layer w0.55: 13.498,-32.25 cw(c13.498,-32.482) 13.73,-32.482
  Bottom Layer w0.85: -52.5,-34.25 -27.5,-34.25 ; v1(-27.5,-26.5) -27.5,-34.25 ; U102.3@13.73,-35.5 13.73,-32.482 ; P100.1@26.19,-35.5 26.19,-33.19 ccw(c25.25,-33.19) 25.25,-32.25 13.498,-32.25 8.75,-32.25 ccw(c8.75,-33.25) 7.75,-33.25 cw(c6.75,-33.25) 6.75,-34.25 -27.5,-34.25
  Bottom Layer w1: P101.4@-52.5,-37.48 -52.5,-34.25 -56.21,-34.25 cw(c-56.21,-31.71) -58.75,-31.71 v1(-58.75,-31) v1(-58.75,-30) v1(-58.75,-5) ; -48.355,1.31 ccw(c-48.355,-2.516) -49.213,1.213 ccw(c-48.355,-2.516) -51.061,0.189 -54.756,-3.506 cw(c-56.552,-1.71) -56.552,-4.25 v1(-57.5,-4.25) ; -48.255,1.31 -9.25,1.31 ; P2.2@-9.25,-1.23 -9.25,1.31 ; BUZ1.1@0,3.8 0,1.31 ; v1(15.032,-4.694) v1(13.752,-4.694) v1(12.615,-4.694) 8.425,-4.694 cw(c8.425,-0.769) 4.5,-0.769 ccw(c2.421,-0.769) 2.421,1.31 0,1.31 ; v1(-58.75,-5) v1(-57.5,-5) v1(-57.5,-4.25) ; v1(-58.75,-5) v1(-58.75,-4.25) v1(-57.5,-4.25) ; -9.25,1.31 0,1.31
A: C106.2 P103.6 R110.2 R116.2 | length 8
  Top Layer w0.35: P103.6@55.04,-37.48 55.04,-36.611 cw(c56.611,-36.611) 55.5,-35.5 ccw(c54.896,-34.896) 55.75,-34.896 R110.2@55.75,-32.7 R116.2@57.25,-32.7 C106.2@58.75,-32.7
AMB_LIGHT: D100.2 pad.amb@0,12.25 R107.1 R134.1 | length 9.5
  Top Layer w0.35: R107.1@-4,13.18 R134.1@-2.5,13.18 -0.8,13.18 0,12.38 pad.amb@0,12.25 ; pad.amb@-0.5,13.52 D100.2@4.5,13.52
B: C105.2 P103.2 R112.2 R115.2 | length 8
  Top Layer w0.35: R112.2@46.25,-32.7 R115.2@47.75,-32.7 C105.2@49.25,-32.7 49.25,-34.001 ccw(c50.663,-34.001) 49.664,-35 cw(c48.949,-35.715) 49.96,-35.715 P103.2@49.96,-37.48
BACK_LIGHT_DATA: P101.1 R100.2 | length 17
  Top Layer w0.35: R100.2@-58.75,-24.95 cw(c-58.75,-26.601) -57.591,-25.426 -57.59,-25.427 ccw(c-57.345,-25.177) -57.576,-25.44 cw(c-60.086,-28.34) -56.25,-28.34 -56.25,-28.342 -56.25,-38.81 ccw(c-55.04,-38.81) P101.1@-55.04,-40.02
BUZZER: R102.1 R130.1 | length 25.7
  Top Layer w0.35: R102.1@-35.855,7.14 -19.377,7.14 cw(c-19.376,0.573) -14.469,4.938 ccw(c-14.209,5.172) -14.458,4.926 cw(c-16.911,2.484) -13.45,2.484 -13.45,2.483 R130.1@-13.45,1.5
FM_ANTENNA: JP100.2 | length 638.8
  Top Layer w0.35: 10,6.962 10,7.139 ; 10,20 10,19.825 10,9.837 ccw(c10.675,9.837) 11.35,9.837 11.35,19.15 cw(c12.025,19.15) 12.7,19.15 12.7,9.837 ccw(c13.375,9.837) 14.05,9.837 14.05,19.15 cw(c14.725,19.15) 15.4,19.15 15.4,9.837 ccw(c16.075,9.837) 16.75,9.837 16.75,19.15 cw(c17.425,19.15) 18.1,19.15 18.1,9.837 ccw(c18.775,9.837) 19.45,9.837 19.45,19.15 cw(c20.125,19.15) 20.8,19.15 20.8,9.837 ccw(c21.475,9.837) 22.15,9.837 22.15,19.15 cw(c22.825,19.15) 23.5,19.15 23.5,9.837 ccw(c24.175,9.837) 24.85,9.837 24.85,19.15 cw(c25.525,19.15) 26.2,19.15 26.2,9.837 ccw(c26.875,9.837) 27.55,9.837 27.55,19.15 cw(c28.225,19.15) 28.9,19.15 28.9,9.837 ccw(c29.575,9.837) 30.25,9.837 30.25,19.15 cw(c30.925,19.15) 31.6,19.15 31.6,9.837 ccw(c32.275,9.837) 32.95,9.837 32.95,19.15 cw(c33.625,19.15) 34.3,19.15 34.3,9.837 ccw(c34.975,9.837) 35.65,9.837 35.65,19.15 cw(c36.325,19.15) 37,19.15 37,9.837 ccw(c37.675,9.837) 38.35,9.837 38.35,19.15 cw(c39.025,19.15) 39.7,19.15 39.7,9.837 ccw(c40.375,9.837) 41.05,9.837 41.05,19.15 cw(c41.725,19.15) 42.4,19.15 42.4,9.837 ccw(c43.075,9.837) 43.75,9.837 43.75,19.15 cw(c44.425,19.15) 45.1,19.15 45.1,9.837 ccw(c45.775,9.837) 46.45,9.837 46.45,19.15 cw(c47.125,19.15) 47.8,19.15 47.8,9.837 ccw(c48.475,9.837) 49.15,9.837 49.15,19.15 cw(c49.825,19.15) 49.825,19.825 cw(c49.825,19.15) 50.5,19.15 50.5,9.837 ccw(c51.175,9.837) 51.85,9.837 51.85,16.1 cw(c52.525,16.1) 53.2,16.1 53.2,9.837 ccw(c53.875,9.837) 54.55,9.837 54.55,19.15 cw(c55.225,19.15) 55.225,19.825 cw(c55.225,19.15) 55.9,19.15 55.9,9.837 ccw(c56.575,9.837) 57.25,9.837 57.25,18.771 cw(c57.925,18.771) 58.6,18.771 58.6,9.837 ccw(c59.275,9.837) 59.95,9.837 59.95,17.703 cw(c60.625,17.703) 61.3,17.703 61.3,9.837 ccw(c61.975,9.837) 62.65,9.837 62.65,16.146 cw(c63.325,16.146) 64,16.146 64,9.837 ccw(c64.675,9.837) 65.35,9.837 65.35,13.94 cw(c66.025,13.94) 66.7,13.94 66.7,9.837 ccw(c67.375,9.837) 68.05,9.837 68.05,10.707 cw(c68.725,10.707) 68.725,11.382 cw(c68.725,10.707) 69.4,10.707 69.4,8.487 cw(c68.725,8.487) 68.725,7.812 10.673,7.812 ccw(c10.675,7.137) 10,7.139 ; JP100.2@27.75,0.873 27.75,2.46 cw(c30.29,2.46) 30.29,5 69.5,5 ccw(c69.5,5.711) 69.5,6.422 10.717,6.422 cw(c10.717,7.139) 10,7.139
FRONT_LIGHT_DATA: P101.3 R101.2 | length 16.8
  Top Layer w0.35: R101.2@-56.25,-24.95 cw(c-56.25,-27.45) -53.75,-27.45 -53.75,-37.046 ccw(c-50.877,-37.048) -53.38,-38.458 ; -53.38,-38.458 -53.379,-38.46 ; -53.379,-38.461 -52.51,-40 -52.505,-40.01 P101.3@-52.5,-40.02